# Altium PCB MB1635.PcbDoc (part 2 of 10) (continued)
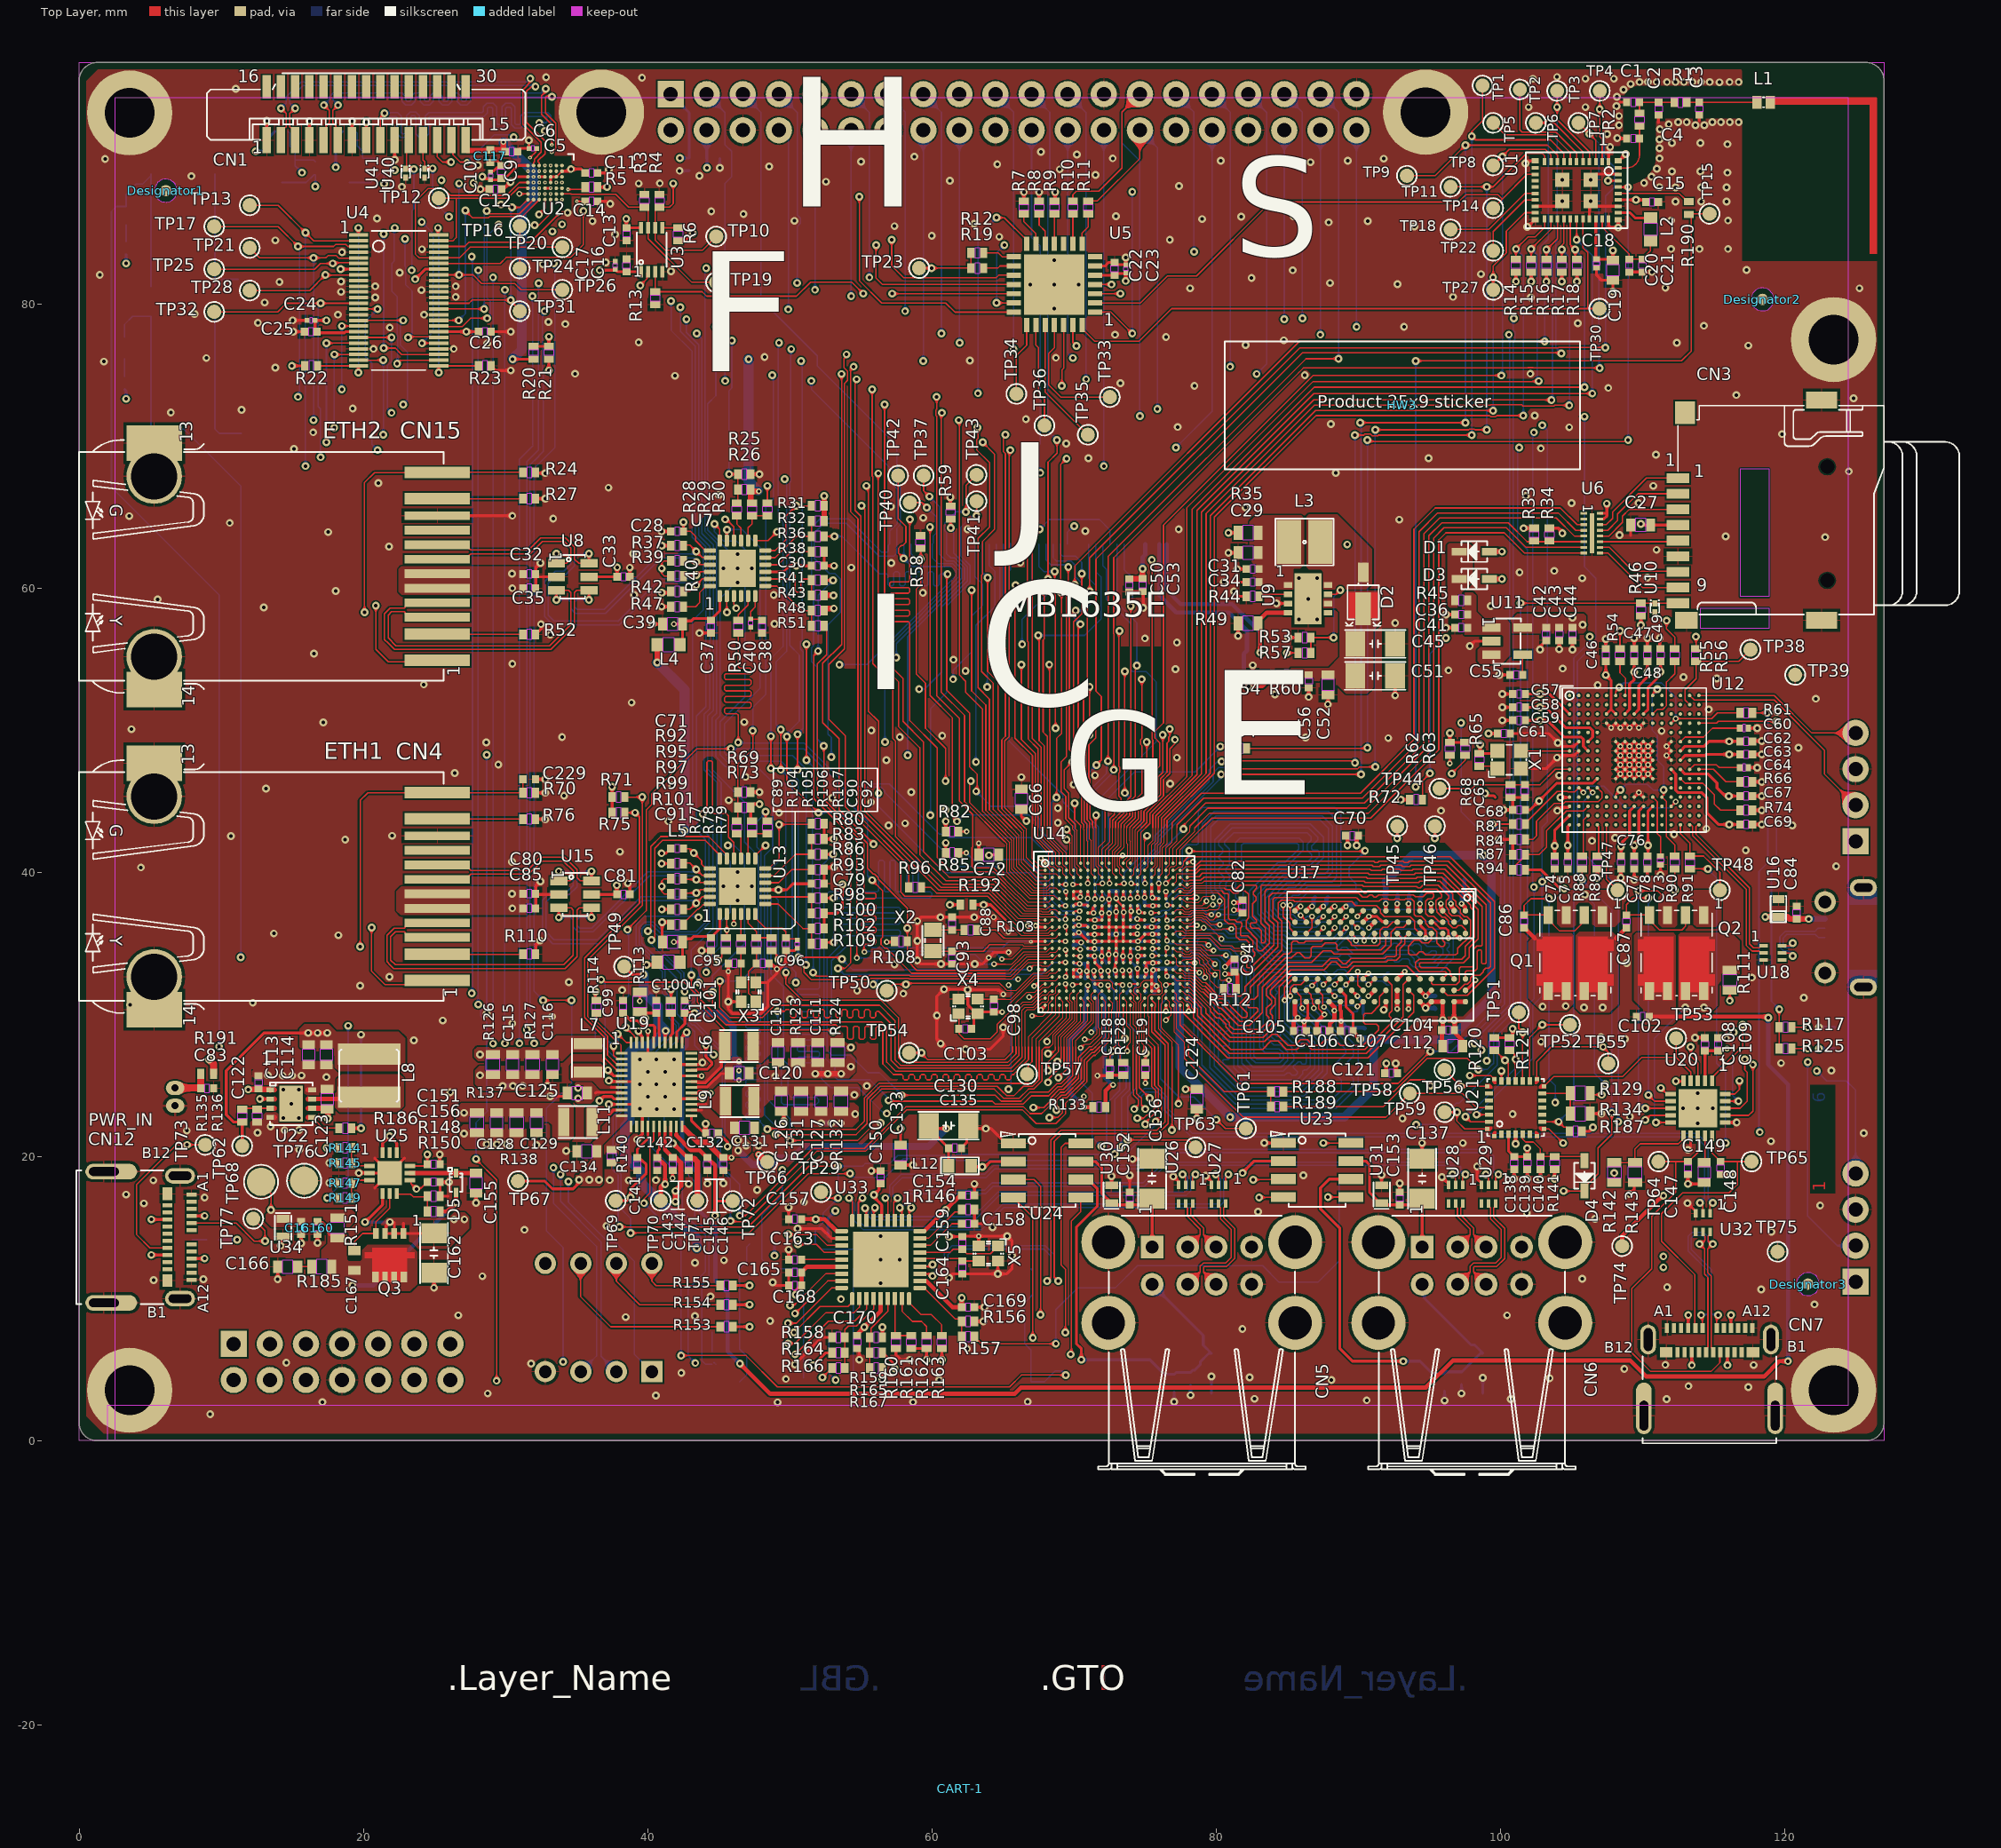
[diagram p0: Top Layer view]
## Part data (continued)
C19 C27 C29 C39 C91 C112 C120 C123 C125 C131 C134 C172: library part MCD-00099, "Capacitor, MLCC, 10uF, 10V, X5R, +/-10%, 0603, T=0.8mm", Manufacturer=MURATA, Manufacturer_Part_Number=GRM188R61A106KE69D, Package=0603, Component_Country_Of_Origin=Japan, ComponentLink1URL=http://tunmcdsvn.tun.st.com/Component_Documentation_Library/Trunk/Capacitor/MURATA_GRM_Series, ID=2770, Internal_Part_Number=MCD-00099, Order_Code_Digikey=490-10474-1-ND, Order_Code_Farnell=2494233, Order_Code_RS=170-6168, Part_Preference=Recommended, Part_Type=Capacitor, ShowFields=YES, Status=Released
C20 C21 C42 C50 C99 C100 C101 C109 C132 C139 C142 C144 C145 C168: library part MCD-01356, "Capacitor, MLCC, 4.7uF, 6V3, X5R, +/-20%, 0402, T=0.5mm", Manufacturer=MURATA, Manufacturer_Part_Number=GRM155R60J475ME47, Package=0402, Component_Country_Of_Origin=Japan, ComponentLink1URL=http://tunmcdsvn.tun.st.com/Component_Documentation_Library/Trunk/Capacitor/MURATA_GRM_Series, ID=3456, Internal_Part_Number=MCD-01356, Order_Code_Digikey=490-5915-1-ND, Order_Code_Farnell=2666407, Order_Code_RS=814-5230, Part_Preference=Recommended, Part_Type=Capacitor, ShowFields=YES, Status=Released
C38 C90 C147 C148 C151 C156: library part MCD-00724, "Capacitor, MLCC, 470pF, 50V, NPO, +/-5%, 0402, T=0.5mm", Manufacturer=YAGEO, Manufacturer_Part_Number=CC0402JRNPO9BN471, Package=0402, Component_Country_Of_Origin=China, ComponentLink1URL=http://tunmcdsvn.tun.st.com/Component_Documentation_Library/Trunk/Capacitor/YAGEO_NP0_Series, ID=3023, Internal_Part_Number=MCD-00724, Order_Code_Digikey=311-1671-1-ND, Order_Code_Farnell=3366416, Order_Code_RS=199-2186, Part_Preference=Recommended, Part_Type=Capacitor, ShowFields=YES, Status=Released
C45 C51: library part MCD-00013, "Capacitor, MLCC, 4.7uF, 50V, X7R, +/-10%, 1206, T=1.27mm", Manufacturer=AVX, Manufacturer_Part_Number=12065C475KAT2A, Package=1206, Component_Country_Of_Origin="China, Penang", ComponentLink1URL=http://tunmcdsvn.tun.st.com/Component_Documentation_Library/Trunk/Capacitor/AVX_CG0_NP0_Series, ID=2466, Internal_Part_Number=MCD-00013, Order_Code_Digikey=478-6653-1-ND, Order_Code_Farnell=1908177, Order_Code_RS=178-0947, Part_Preference=Recommended, Part_Type=Capacitor, ShowFields=YES, Status=Released
C52 C149 C155: library part MCD-01099, "Capacitor, MLCC, 100nF, 50V, X7R, +/-10%, 0603, T=0.8mm", Manufacturer=YAGEO, Manufacturer_Part_Number=CC0603KRX7R9BB104, Package=0603, BMS_Part_Number=9142278, Component_Country_Of_Origin=China, ComponentLink1URL=http://tunmcdsvn.tun.st.com/Component_Documentation_Library/Trunk/Capacitor/YAGEO_X7R_Series, ID=3397, Internal_Part_Number=MCD-01099, Order_Code_Digikey=311-1344-1-ND, Order_Code_Farnell=1362556, Order_Code_RS=669-8767, Part_Preference=Recommended, Part_Type=Capacitor, ShowFields=YES, Status=Released
C56: library part MCD-00277, "Capacitor, MLCC, 33pF, 50V, NPO,+/-5%, 0402, T=0.5mm", Manufacturer=YAGEO, Manufacturer_Part_Number=CC0402JRNPO9BN330, Package=0402, Component_Country_Of_Origin=China, ComponentLink1URL=http://tunmcdsvn.tun.st.com/Component_Documentation_Library/Trunk/Capacitor/YAGEO_NP0_Series, ID=2592, Internal_Part_Number=MCD-00277, Order_Code_Digikey=311-1020-1-ND, Order_Code_Farnell=3019196, Order_Code_RS=N/A, Part_Preference=Recommended, Part_Type=Capacitor, ShowFields=YES, Status=Released
C66 C72 C110 C111 C113 C114 C115 C116 C124 C126 C127 C128 C129 C133: library part MCD-00100, "Capacitor, MLCC, 22uF, 6V3, X5R, +/-20%, 0603, T=0.8mm", Manufacturer=MURATA, Manufacturer_Part_Number=GRM188R60J226MEA0J, Package=0603, Component_Country_Of_Origin=Japan, ComponentLink1URL=http://tunmcdsvn.tun.st.com/Component_Documentation_Library/Trunk/Capacitor/MURATA_GRM_Series, ID=2766, Internal_Part_Number=MCD-00100, Order_Code_Digikey=490-7612-2-ND, Order_Code_Farnell=N/A, Order_Code_RS=N/A, Part_Preference=Recommended, Part_Type=Capacitor, ShowFields=YES, Status=Released
C84 C161 C221 C229: library part MCD-00205, "Capacitor, MLCC, 100pF, 50V, NPO, +/-5%, 0402, T=0.5mm", Manufacturer=YAGEO, Manufacturer_Part_Number=CC0402JRNPO9BN101, Package=0402, Component_Country_Of_Origin=China, ComponentLink1URL=http://tunmcdsvn.tun.st.com/Component_Documentation_Library/Trunk/Capacitor/YAGEO_NP0_Series, ID=2658, Internal_Part_Number=MCD-00205, Order_Code_Digikey=311-1024-1-ND, Order_Code_Farnell=3019226RL, Order_Code_RS=N/A, Part_Preference=Recommended, Part_Type=Capacitor, ShowFields=YES, Status=Released
C86: library part MCD-00198, "Capacitor, MLCC, 1nF, 16V, X7R, +/-10%, 0402, T=0.5mm", Manufacturer=TDK, Manufacturer_Part_Number=C1005NP01H220J050BA, Package=0402, Component_Country_Of_Origin=Unknown, ComponentLink1URL=http://tunmcdsvn.tun.st.com/Component_Documentation_Library/Trunk/Capacitor/TDK_C_Series, ID=4095, Internal_Part_Number=MCD-01995, Order_Code_Digikey=445-13793-1-ND, Order_Code_Farnell=3416050RL, Order_Code_RS=N/A, Part_Preference=Recommended, Part_Type=Capacitor, ShowFields=YES, Status=Released
C87: library part MCD-01995, "Capacitor, MLCC, 22pF, 50V, C0G, +/-5%, 0402, T=0.5mm", Manufacturer=TDK, Manufacturer_Part_Number=C1005NP01H220J050BA, Package=0402, Component_Country_Of_Origin=Unknown, ComponentLink1URL=http://tunmcdsvn.tun.st.com/Component_Documentation_Library/Trunk/Capacitor/TDK_C_Series, ID=4095, Internal_Part_Number=MCD-01995, Order_Code_Digikey=445-13793-1-ND, Order_Code_Farnell=3416050RL, Order_Code_RS=N/A, Part_Preference=Recommended, Part_Type=Capacitor, ShowFields=YES, Status=Released
C88 C93 C95 C96 C98 C103 C159 C164: library part MCD-00674, "Capacitor, MLCC, 6.8pF, 50V, NPO, +/-0.25pF, 0402, T=0.5mm", Manufacturer=YAGEO, Manufacturer_Part_Number=CC0402CRNPO9BN6R8, Package=0402, Component_Country_Of_Origin=China, ComponentLink1URL=http://tunmcdsvn.tun.st.com/Component_Documentation_Library/Trunk/Capacitor/YAGEO_NP0_Series, ID=3068, Internal_Part_Number=MCD-00674, Order_Code_Digikey=311-3327-1-ND, Order_Code_Farnell=N/A, Order_Code_RS=N/A, Part_Preference=Recommended, Part_Type=Capacitor, ShowFields=YES, Status=Released
C130: library part MCD-02263, "Capacitor, MLCC, 47uF, 25V, X5R, 20%, 1206, T=1.6mm", Manufacturer=MURATA, Manufacturer_Part_Number=GRM31CR61E476ME44, Package=C1206, Component_Country_Of_Origin=Japan, ComponentLink1URL=http://tunmcdsvn.tun.st.com/Component_Datasheet_Library/Trunk/Capacitors/MURATA_Capacitor_GRM_series/MURATA_GRM_Datasheet.pdf, ID=4363, Internal_Part_Number=MCD-02263, Order_Code_Digikey=490-16268-2-ND, Order_Code_Farnell=N/A, Order_Code_RS=N/A, Part_Preference=Recommended, Part_Type=Capacitor, ShowFields=YES, Status=Released
C136 C137 C162 C224 C225: library part MCD-00104, "Capacitor, MLCC, 220uF, 6V3, X5R, +/-20%, 1206, T=1.6mm", Manufacturer=MURATA, Manufacturer_Part_Number=GRM31CR60J227ME11, Package=1206, Component_Country_Of_Origin=Japan, ComponentLink1URL=http://tunmcdsvn.tun.st.com/Component_Documentation_Library/Trunk/Capacitor/MURATA_GRM_Series, ID=2764, Internal_Part_Number=MCD-00104, Order_Code_Digikey=490-13970-1-ND, Order_Code_Farnell=2494472, Order_Code_RS=170-6396, Part_Preference=Recommended, Part_Type=Capacitor, ShowFields=YES, Status=Released
C166: library part MCD-02196, "Capacitor, MLCC, 4.7uF, 25V, X5R, +/-10%, 0603, T=0.8mm", Manufacturer=TDK, Manufacturer_Part_Number=C1608X5R1E475K080AC, Package=0603, Component_Country_Of_Origin=Unknown, ComponentLink1URL=http://tunmcdsvn.tun.st.com/Component_Documentation_Library/Trunk/Capacitor/TDK_C_Series, ID=4296, Internal_Part_Number=MCD-02196, Order_Code_Digikey=445-9050-1-ND, Order_Code_Farnell=2525101, Order_Code_RS=9159158, Part_Preference=Recommended, Part_Type=Capacitor, ShowFields=YES, Status=Checked
C167: library part MCD-02457, "Capacitor, MLCC, 2.2nF, 50V, C0G/NPO, +/-5%, 0603, T=0,8mm", Manufacturer=YAGEO, Manufacturer_Part_Number=CC0603JRNPO9BN222, Package=0603, Component_Country_Of_Origin=China, ComponentLink1URL=http://tunmcdsvn.tun.st.com/Component_Documentation_Library/Trunk/Capacitor/YAGEO_NP0_Series/, ID=4563, Internal_Part_Number=MCD-02457, Order_Code_Digikey=311-1771-2-ND, Order_Code_Farnell=3369209, Order_Code_RS=200-6484, Part_Preference=Recommended, Part_Type=Capacitor, ShowFields=YES, Status=Released
C175 C184 C192 C193 C204 C206 C211: library part MCD-01729, "Capacitor, MLCC, 1nF, 25V, X7R,+/-5%, 0201,T=0.3mm", Manufacturer=MURATA, Manufacturer_Part_Number=GRM033R71E102JA01D, Package=0201, Component_Country_Of_Origin=Japan, ComponentLink1URL=http://tunmcdsvn.tun.st.com/Component_Documentation_Library/Trunk/Capacitor/MURATA_GRM_Series, ID=3829, Internal_Part_Number=MCD-01729, Order_Code_Digikey=490-16360-1-ND, Order_Code_Farnell=2999504, Order_Code_RS=185-1954, Part_Preference=Recommended, Part_Type=Capacitor, ShowFields=YES, Status=Released
C222: library part MCD-02378, "Capacitor, MLCC, 10uF, 50V, X7R, +/-10%, 1210, T=2.5mm", Manufacturer=TDK, Manufacturer_Part_Number=C3225X7R1H106K250AC, Package=1210, Component_Country_Of_Origin=Japan, ComponentLink1URL=http://tunmcdsvn.tun.st.com/Component_Documentation_Library/Trunk/Capacitor/TDK_C_Series/, ID=4484, Internal_Part_Number=MCD-02378, Order_Code_Digikey=445-C3225X7R1H106K250ACTR-ND, Order_Code_Farnell=3416257, Order_Code_RS=N/A, Part_Preference=Recommended, Part_Type=Capacitor, ShowFields=YES, Status=Checked
CN1: library part MCD-02225, "Socket_FFC/FPC, 15pins, 1mm ,VR, SMD, T=7.7mm", Manufacturer="TE CONNECTIVITY", Manufacturer_Part_Number=1-1734248-5, Component_Country_Of_Origin=Taiwan, ComponentLink1URL=http://tunmcdsvn.tun.st.com/Component_Documentation_Library/Trunk/Connector/TE_CONNECTIVITY_1734248_Series/, ID=4325, Internal_Part_Number=MCD-02225, Order_Code_Digikey=A101418TR-ND, Order_Code_Farnell=2890893, Order_Code_RS=N/A, Part_Preference=Recommended, Part_Type=Connector, ShowFields=YES, Status=Released
CN3: library part MCD-00653, "Connector_uSD Card, Top Mnt Push-Push", Manufacturer=ATOM, Component_Country_Of_Origin=Unknown, ComponentLink1URL=http://tunmcdsvn.tun.st.com/Component_Documentation_Library/Trunk/Connector/ATOM_MR01A-01211/, ID=3087, Internal_Part_Number=MCD-00653, Manufacturer_Part_Number=MR01A-01211, Order_Code_Digikey=N/A, Order_Code_Farnell=N/A, Order_Code_RS=N/A, Part_Preference=Recommended, Part_Type=Connector, ShowFields=YES, Status=Released
CN4 CN15: library part MCD-02475, "connector_RJ45, 10/100 Ethernet integrated MAG with integrate Green and Yellow LED, T= 13.61mm", Manufacturer=PENGHUI, Manufacturer_Part_Number=RMT-119A-12F6-GY-02, ComponentLink1URL=http://tunmcdsvn.tun.st.com/Component_Documentation_Library/Trunk/Connector/PENGHUI_RMT-119A-12F6-GY-02, ID=4581, Internal_Part_Number=MCD-02475, Order_Code_Digikey=N/A, Order_Code_Farnell=N/A, Order_Code_RS=N/A, Part_Preference=Recommended, Part_Type=Connector, ShowFields=YES, Status=Released
CN5 CN6: library part MCD-00109, "USB_Dual-TypeA, Receptacle, 8pins, 2.5mm, RA, TH, T= 15.5mm", Manufacturer=CONEXCON, Manufacturer_Part_Number=5600-3081, Component_Country_Of_Origin=Unknown, ComponentLink1URL=http://tunmcdsvn.tun.st.com/Component_Documentation_Library/Trunk/Connector/CONEXCON_5600_Series/, ID=2756, Internal_Part_Number=MCD-00109, Order_Code_Digikey=N/A, Order_Code_Farnell=N/A, Order_Code_RS=N/A, Part_Preference=Recommended, Part_Type=Connector, ShowFields=YES, Status=Released
CN7 CN12: library part MCD-02421, "USB_TypeC, 24 pins, RA, SMD, T=3.71mm (USB Certified 3.1)", Manufacturer=MOLEX, Manufacturer_Part_Number=2012670005, Component_Country_Of_Origin=Unknown, ComponentLink1URL=http://tunmcdsvn.tun.st.com/Component_Documentation_Library/Trunk/Connector/MOLEX_201267_Series, ID=4527, Internal_Part_Number=MCD-02421, Order_Code_Digikey=WM17992TR-ND, Order_Code_Farnell=2990523, Order_Code_RS=176-8434, Part_Preference=Recommended, Part_Type=Connector, ShowFields=YES, Status=Released
CN8: library part MCD-00302, "Header, 20x2, 2.54mm, VR, TH, T=5.84mm/2.54mm", Manufacturer=SAMTEC, Manufacturer_Part_Number=TSW-120-07-G-D, Component_Country_Of_Origin="China, Costa Rica, Malaysia, United States, Vietnam", ComponentLink1URL=http://tunmcdsvn.tun.st.com/Component_Documentation_Library/Trunk/Connector/SAMTEC_TSW_Series/, ID=2567, Internal_Part_Number=MCD-00302, Order_Code_Digikey=SAM1028-20-ND, Order_Code_Farnell=2779689, Order_Code_RS=180-2456, Part_Preference=Recommended, Part_Type=Connector, ShowFields=YES, Status=Released
CN9 CN13: library part MCD-00029, "Header, 4x1, 2.54mm, VR, TH, T=5.84mm/2.54mm", Manufacturer=SAMTEC, Manufacturer_Part_Number=TSW-104-07-G-S, Component_Country_Of_Origin="China, Costa Rica, Malaysia, United States, Vietnam", ComponentLink1URL=http://tunmcdsvn.tun.st.com/Component_Documentation_Library/Trunk/Connector/SAMTEC_TSW_Series/, ID=2487, Internal_Part_Number=MCD-00029, Order_Code_Digikey=TSW-104-07-G-S-ND, Order_Code_Farnell=2667450, Order_Code_RS=161-2261, Part_Preference=Recommended, Part_Type=Connector, ShowFields=YES, Status=Released
CN10: library part MCD-00028, "MicroUSB_TypeB, 5pins, 0.65mm, RA, SMD, T=2.9mm", Manufacturer=MOLEX, Manufacturer_Part_Number=1050170001, Component_Country_Of_Origin=Unknown, ComponentLink1URL=http://tunmcdsvn.tun.st.com/Component_Documentation_Library/Trunk/Connector/MOLEX_1050170001/, ID=2489, Internal_Part_Number=MCD-00028, Order_Code_Digikey=WM1399TR-ND, Order_Code_Farnell=2293836, Order_Code_RS=848-6764, Part_Preference=Recommended, Part_Type=Connector, ShowFields=YES, Status=Released
CN11: library part MCD-00655, "Header, 2x1, 1.25mm, VR, TH, T=2.25mm/2.3mm", Manufacturer=MOLEX, Manufacturer_Part_Number=53047-0210, BMS_Part_Number=9083002, Component_Country_Of_Origin=Unknown, ComponentLink1URL=http://tunmcdsvn.tun.st.com/Component_Documentation_Library/Trunk/Connector/MOLEX_53047-0210/, ID=3091, Internal_Part_Number=MCD-00655, Order_Code_Digikey=WM1731-ND, Order_Code_Farnell=9733051, Order_Code_RS=279-9213, Part_Preference=Recommended, Part_Type=Connector, ShowFields=YES, Status=Checked
CN14: library part MCD-02123, "Header, 7x2, 2.54mm, VR, TH, T=5.84mm/2.54mm", Manufacturer=SAMTEC, Manufacturer_Part_Number=TSW-107-07-G-D, Component_Country_Of_Origin="China, Costa Rica, Malaysia, United States, Vietnam", ComponentLink1URL=http://tunmcdsvn.tun.st.com/Component_Documentation_Library/Trunk/Connector/SAMTEC_TSW_Series/, ID=4223, Internal_Part_Number=MCD-02123, Order_Code_Digikey=N/A, Order_Code_Farnell=N/A, Order_Code_RS=N/A, Part_Preference=Recommended, Part_Type=Connector, ShowFields=YES, Status=Checked
CN16: library part MCD-02589, "Socket_FFC/FPC, 40pins, 0.5mm, RA, SMD, T=1.9mm", Manufacturer=MOLEX, ComponentLink1URL=http://tunmcdsvn.tun.st.com/Component_Documentation_Library/Trunk/Connector/MOLEX_505110_Series, ID=4695, Internal_Part_Number=MCD-02589, Manufacturer_Part_Number=5051104091, Order_Code_Digikey=WM11292, Order_Code_Farnell=3051373, Order_Code_RS=178-8776, Part_Preference=Recommended, Part_Type=Connector, ShowFields=YES, Status=Checked
D1 D3 D4: library part MCD-00034, Manufacturer=STMICROELECTRONICS, Manufacturer_HQ_COO=EU, BMS_Part_Number=9151097, Component_Country_Of_Origin=China, ComponentLink1URL=http://tunmcdsvn.tun.st.com/Component_Datasheet_Library/Trunk/Diodes/STM_Diode_BAT60JFILM-SOD323, ID=2483, Internal_Part_Number=MCD-00034, Manufacturer_Part_Number=BAT60JFILM, Part_Preference=Recommended, Part_Type=Diode, ShowFields=YES, Status=Released
D2: library part MCD-00033, "Low Drop power Schottky rectifier(1A, 40V, 0.4V)", Manufacturer=STMICROELECTRONICS, Manufacturer_HQ_COO=EU, BMS_Part_Number=9151085, Component_Country_Of_Origin=China, ComponentLink1URL=http://tunmcdsvn.tun.st.com/Component_Datasheet_Library/Trunk/Diodes/STM_Diode_STPS1L40M_DO216-AA, ID=2485, Internal_Part_Number=MCD-00033, Manufacturer_Part_Number=STPS1L40M, Part_Preference=Recommended, Part_Type=Diode, ShowFields=YES, Status=Released
D5: library part MCD-01677, "Small signal Schottky diodes", Manufacturer=STMICROELECTRONICS, Manufacturer_HQ_COO=EU, Manufacturer_Part_Number=BAT54KFILM, Package=SOD-523, BMS_Part_Number=9151123, Component_Country_Of_Origin=China, ComponentLink1URL=http://tunmcdsvn.tun.st.com/Component_Datasheet_Library/Trunk/Diodes/STM_SCHOTTKY_DOUBLE_BAT54SWFILM/STM_SCHOTTKY_DOUBLE_BAT54SWFILM.pdf, ID=3777, Internal_Part_Number=MCD-01677, Part_Preference=Recommended, Part_Type=Diode, ShowFields=YES, Status=Checked
HW2: library part MCD-00235, "Sticker Board 25x9 mm", Manufacturer=N/A, ComponentLink1URL=N/A, ID=2632, Internal_Part_Number=MCD-00235, Manufacturer_Part_Number=N/A, Order_Code_Digikey=N/A, Order_Code_Farnell=N/A, Order_Code_RS=N/A, Part_Preference=Recommended, Part_Type=Misc, ShowFields=YES, Status=Released
HW3: library part MCD-00547, "Sticker product 25x9 mm", Manufacturer=N/A, ComponentLink1URL=N/A, ID=3197, Internal_Part_Number=MCD-00547, Manufacturer_Part_Number=N/A, Order_Code_Digikey=N/A, Order_Code_Farnell=N/A, Order_Code_RS=N/A, Part_Preference=Recommended, Part_Type=Misc, ShowFields=YES, Status=Released
L1: library part MCD-00657, "Inductor, 2.4nH, +/-0.2nH, Itemp=850mA, 50R, 0402, T=0.6mm, Qmin=20", Manufacturer=MURATA, Manufacturer_Part_Number=LQW15AN2N4C00#, Package=0402, Component_Country_Of_Origin=Japan, ComponentLink1URL=http://tunmcdsvn.tun.st.com/Component_Documentation_Library/Trunk/Inductor/MURATA_LQW15ANx_Series, ID=3088, Internal_Part_Number=MCD-00657, Order_Code_Digikey=N/A, Order_Code_Farnell=N/A, Order_Code_RS=177-6240, Part_Preference=Recommended, Part_Type=Inductor, ShowFields=YES, Status=Checked
L2: library part MCD-00659, "Inductor, 2.2uH, +/-20%, 1050mA, 0R2, 0603, T=1mm", Manufacturer=MURATA, Manufacturer_Part_Number=LQM18PN2R2MGH, Package=0603, Component_Country_Of_Origin=Japan, ComponentLink1URL=http://tunmcdsvn.tun.st.com/Component_Documentation_Library/Trunk/Inductor/MURATA_LQM_Series, ID=3085, Internal_Part_Number=MCD-00659, Order_Code_Digikey=490-14478-1-ND, Order_Code_Farnell=N/A, Order_Code_RS=N/A, Part_Preference=Recommended, Part_Type=Inductor, ShowFields=YES, Status=Checked
L3: library part MCD-00048, "Inductor, 4.7uH, +/-30%, 1A, 180mR, 1210, T=1.7mm", Manufacturer=MURATA, Manufacturer_Part_Number=LQH32PN4R7NN0L, Package=1210, Component_Country_Of_Origin=Japan, ComponentLink1URL=http://tunmcdsvn.tun.st.com/Component_Documentation_Library/Trunk/Inductor/MURATA_LQH32PN4R7NN0, ID=2544, Internal_Part_Number=MCD-00048, Order_Code_Digikey=490-5338-2-ND, Order_Code_Farnell=2470296, Order_Code_RS=167-4086, Part_Preference=Recommended, Part_Type=Inductor, ShowFields=YES, Status=Released
L4 L5: library part MCD-00047, "Ferrite bead, 600R @1 00MHz, +/-25%, 350mA, 0R5, 0603, T=0.8mm", Manufacturer=TAI-TECH, Manufacturer_Part_Number=FCM1608KF-601T03, Package=0603, Component_Country_Of_Origin=Unknown, ComponentLink1URL=http://tunmcdsvn.tun.st.com/Component_Documentation_Library/Trunk/Inductor/TAI-TECH_FCM-1608_Series, ID=2546, Internal_Part_Number=MCD-00047, Order_Code_Digikey=N/A, Order_Code_Farnell=N/A, Order_Code_RS=N/A, Part_Preference=Recommended, Part_Type=Inductor, ShowFields=YES, Status=Released
L6 L7 L9 L11: library part MCD-01122, "Inductor, 1uH, +/-20%, 4.3A max, 0R042, 2520, T=1.2mm", Manufacturer=MURATA, Manufacturer_Part_Number=DFE252012P-1ROM=P2, Package=2520, Component_Country_Of_Origin=Japan, ComponentLink1URL=http://tunmcdsvn.tun.st.com/Component_Documentation_Library/Trunk/Inductor/MURATA_DFE252012P_Series, ID=3373, Internal_Part_Number=MCD-01122, Order_Code_Digikey=N/A, Order_Code_Farnell=N/A, Order_Code_RS=N/A, Part_Preference=Recommended, Part_Type=Inductor, ShowFields=YES, Status=Checked
L8: library part MCD-02242, "Inductor, 2.2uH, +/-30%, 3,83A, 0R023, 4x4mm, T=2.5mm", Manufacturer="WURTH ELEKTRONIK", Manufacturer_Part_Number=74404043022A, Package=4x4mm, Component_Country_Of_Origin=Unknown, ComponentLink1URL=http://tunmcdsvn.tun.st.com/Component_Documentation_Library/Trunk/Inductor/WURTH_ELEKTRONIK_74404043022A, ID=4342, Internal_Part_Number=MCD-02242, Order_Code_Digikey=732-10754-2-ND, Order_Code_Farnell=2749069, Order_Code_RS=N/A, Part_Preference=Recommended, Part_Type=Inductor, ShowFields=YES, Status=Released
L12: library part MCD-00305, "Ferrite bead, 26R @ 100Mhz, +/-25%, 6000mA, 0R007, 0603, T=0.75mm", Manufacturer=MURATA, Manufacturer_Part_Number=BLM18KG260TN1, Package=0603, Component_Country_Of_Origin=Japan, ComponentLink1URL=http://tunmcdsvn.tun.st.com/Component_Documentation_Library/Trunk/Inductor/MURATA_BLM_Series, ID=2564, Internal_Part_Number=MCD-00305, Order_Code_Digikey=490-5252-2-ND, Order_Code_Farnell=1781087, Order_Code_RS=747-4723, Part_Preference=Recommended, Part_Type=Inductor, ShowFields=YES, Status=Checked
LD1 LD7: library part MCD-00050, "LED, Green, 0603", Manufacturer=EVERLIGHT, Manufacturer_Part_Number=19-213SYGC/S530-E2/TR8, Package="LED 0603", Component_Country_Of_Origin=China, ComponentLink1URL=http://tunmcdsvn.tun.st.com/Component_Datasheet_Library/Trunk/Display/Everlight_SMD-LED-GREEN_19-213SYGC-S530-XX-TR8-v3.doc, ID=2542, Internal_Part_Number=MCD-00050, Part_Preference=Forbidden, Part_Type=Display, ShowFields=YES, Status=Obsolete
LD2 LD4: library part MCD-00049, "LED, Red, 0603", Manufacturer=EVERLIGHT, Manufacturer_Part_Number=19-213-R6C-AP1Q2B/3T, Package="LED 0603", Component_Country_Of_Origin=China, ComponentLink1URL=http://tunmcdsvn.tun.st.com/Component_Datasheet_Library/Trunk/Display/Everlight_SMD-LED-RED_19-213-R6C-AP1Q2B-3T-V3.doc, ID=2543, Internal_Part_Number=MCD-00049, Part_Preference=Forbidden, Part_Type=Display, ShowFields=YES, Status=Obsolete
LD3: library part MCD-01131, "LED Blue, 0603 SMD, Forward Voltage Min=2,8V, Max=3,1V", Manufacturer=EVERLIGHT, Manufacturer_Part_Number=19-217-BHC-ZL1M2RY-3T, Package=0603, Component_Country_Of_Origin=China, ComponentLink1URL=http://tunmcdsvn.tun.st.com/Component_Datasheet_Library/Trunk/Display/Everlight_SMD-LED-BLUE_19-213BHC-ZK1L2B11X-3T/Everlight_SMD-LED-BLUE_19-217-BHC-ZL1M2RY-3T-V4.pdf, ID=3365, Internal_Part_Number=MCD-01131, Part_Preference=Forbidden, Part_Type=Display, ShowFields=YES, Status=Obsolete
LD5: library part MCD-02629, "LED Bicolor, Green, Red, 4-PLCC", Manufacturer="VISUAL COMMUNICATIONS COMPANY - VCC", Manufacturer_Part_Number=CMD6722VRVGCTR8, Package=4-PLCC, ComponentLink1URL="http://tunmcdsvn.tun.st.com/Component_Documentation_Library/Trunk/Display/VCC_CMD67-22 _Series/", ID=4735, Internal_Part_Number=MCD-02629, Order_Code_Digikey=L628015TR-ND, Order_Code_Farnell=N/A, Order_Code_RS=N/A, Part_Preference="Not recommended", Part_Type=Display, ShowFields=YES, Status=Standby
LD6: library part MCD-00321, "LED, Orange, 0603", Manufacturer=EVERLIGHT, Manufacturer_Part_Number=19-217/S2C-AM2N2VY/3T, Package="LED 0603", Component_Country_Of_Origin=China, ComponentLink1URL=http://tunmcdsvn.tun.st.com/Component_Datasheet_Library/Trunk/Display/Everlight_SMD-LED-Orange_19-217-S2C-AM2N2VY-3T_V1, ID=2957, Internal_Part_Number=MCD-00321, Part_Preference=Forbidden, Part_Type=Display, ShowFields=YES, Status=Obsolete
Q1 Q2: library part MCD-02152, "MOSFET, Dual N-channel 30 V, 0.016 Ω typ., 40 A, STripFET™ H5 Power MOSFET", Manufacturer=STMICROELECTRONICS, Manufacturer_HQ_COO=EU, Package="PowerFLAT 5x6", Component_Country_Of_Origin=China, ComponentLink1URL=http://tunmcdsvn.tun.st.com/Component_Datasheet_Library/Trunk/Transistors/STMICROELECTRONICS_STL40DN3LLH5, ID=4252, Internal_Part_Number=MCD-02152, Manufacturer_Part_Number=STL40DN3LLH5, Order_Code_Digikey=N/A, Order_Code_Farnell=N/A, Order_Code_RS=N/A, Part_Preference=Recommended, Part_Type=Transistor, ShowFields=YES, Status=Released
Q3: library part MCD-01810, "N-channel 30 V, 6 mΩ typ, 11 A STripFET™ H6, Power MOSFET in a PowerFLAT™ 3.3x3.3 package", Manufacturer=STMICROELECTRONICS, Manufacturer_HQ_COO=EU, Package="PowerFLAT 3.3x3.3", BMS_Part_Number=9153561, Component_Country_Of_Origin=China, ComponentLink1URL=http://tunmcdsvn.tun.st.com/Component_Datasheet_Library/Trunk/IC/STM_POWER_MOSFET_STL11N3LLH6, ID=3910, Internal_Part_Number=MCD-01810, Manufacturer_Part_Number=STL11N3LLH6, Part_Preference=Recommended, Part_Type=IC, ShowFields=YES, Status=Released
R1 R2 R10 R11 R12 R19 R20 R21 R28 R30 R45 R54 R55 R56 R57 R60 R61 R64 R68 R77 R81 R85 R88 R90 R91 R96 R103 R104 R105 R106 R114 R115 R133 R140 R166 R167 R188 R189 R190 R191 R192: library part MCD-00052, "Resistor, 0R, 0402, +/-5%, 1/16W", Manufacturer=YAGEO, Manufacturer_Part_Number=RC0402JR-070RL, Package=0402, Component_Country_Of_Origin=China, ComponentLink1URL=http://tunmcdsvn.tun.st.com/Component_Documentation_Library/Trunk/Resistor/YAGEO_RC_L_Series, ID=2540, Internal_Part_Number=MCD-00052, Order_Code_Digikey=311-0.0JRCT-ND, Order_Code_Farnell=9232516RL, Order_Code_RS=618-5804, Part_Preference=Recommended, Part_Type=Resistor, ShowFields=YES, Status=Released
R3 R4 R5 R6 R7 R8 R9 R22 R23 R24 R25 R26 R29 R32 R33 R34 R38 R43 R48 R65 R69 R70 R72 R73 R78 R83 R84 R93 R100 R102 R141 R150 R162 R163 R176 R178 R180 R187: library part MCD-00053, "Resistor, 10K, 0402, +/-1%, 1/16W", Manufacturer=YAGEO, Manufacturer_Part_Number=RC0402FR-0710KL, Package=0402, BMS_Part_Number=9131590, Component_Country_Of_Origin=China, ComponentLink1URL=http://tunmcdsvn.tun.st.com/Component_Documentation_Library/Trunk/Resistor/YAGEO_RC_L_Series, ID=2539, Internal_Part_Number=MCD-00053, Order_Code_Digikey=311-10.0KLRCT-ND, Order_Code_Farnell=9239359, Order_Code_RS=N/A, Part_Preference=Recommended, Part_Type=Resistor, ShowFields=YES, Status=Released
R13 R53 R58 R59 R87 R89 R94: library part MCD-00065, "Resistor, 4K7, 0402, +/-1%, 1/16W", Manufacturer=YAGEO, Manufacturer_Part_Number=RC0402FR-074K7L, Package=0402, Component_Country_Of_Origin=China, ComponentLink1URL=http://tunmcdsvn.tun.st.com/Component_Documentation_Library/Trunk/Resistor/YAGEO_RC_L_Series, ID=2526, Internal_Part_Number=MCD-00065, Order_Code_Digikey=311-4.7KLRCT-ND, Order_Code_Farnell=9239316, Order_Code_RS=N/A, Part_Preference=Recommended, Part_Type=Resistor, ShowFields=YES, Status=Released
R14 R15 R16 R17 R18 R144 R149: library part MCD-00063, "Resistor, 47K, 0402, +/-1%, 1/16W", Manufacturer=YAGEO, Manufacturer_Part_Number=RC0402FR-0747KL, Package=0402, Component_Country_Of_Origin=China, ComponentLink1URL=http://tunmcdsvn.tun.st.com/Component_Documentation_Library/Trunk/Resistor/YAGEO_RC_L_Series, ID=2528, Internal_Part_Number=MCD-00063, Order_Code_Digikey=311-47.0KLRCT-ND, Order_Code_Farnell=9239430, Order_Code_RS=N/A, Part_Preference=Recommended, Part_Type=Resistor, ShowFields=YES, Status=Released
R27 R52 R76 R110: library part MCD-00441, "Resistor, 270R, 0402, +/-1%, 1/16W", Manufacturer=YAGEO, Manufacturer_Part_Number=RC0402FR-07270RL, Package=0402, Component_Country_Of_Origin=China, ComponentLink1URL=http://tunmcdsvn.tun.st.com/Component_Documentation_Library/Trunk/Resistor/YAGEO_RC_L_Series, ID=2838, Internal_Part_Number=MCD-00441, Order_Code_Digikey=311-270LRCT-ND, Order_Code_Farnell=9239162, Order_Code_RS=N/A, Part_Preference=Recommended, Part_Type=Resistor, ShowFields=YES, Status=Released